# Allegro board rpi-cm4-carrierboard.brd (continued)
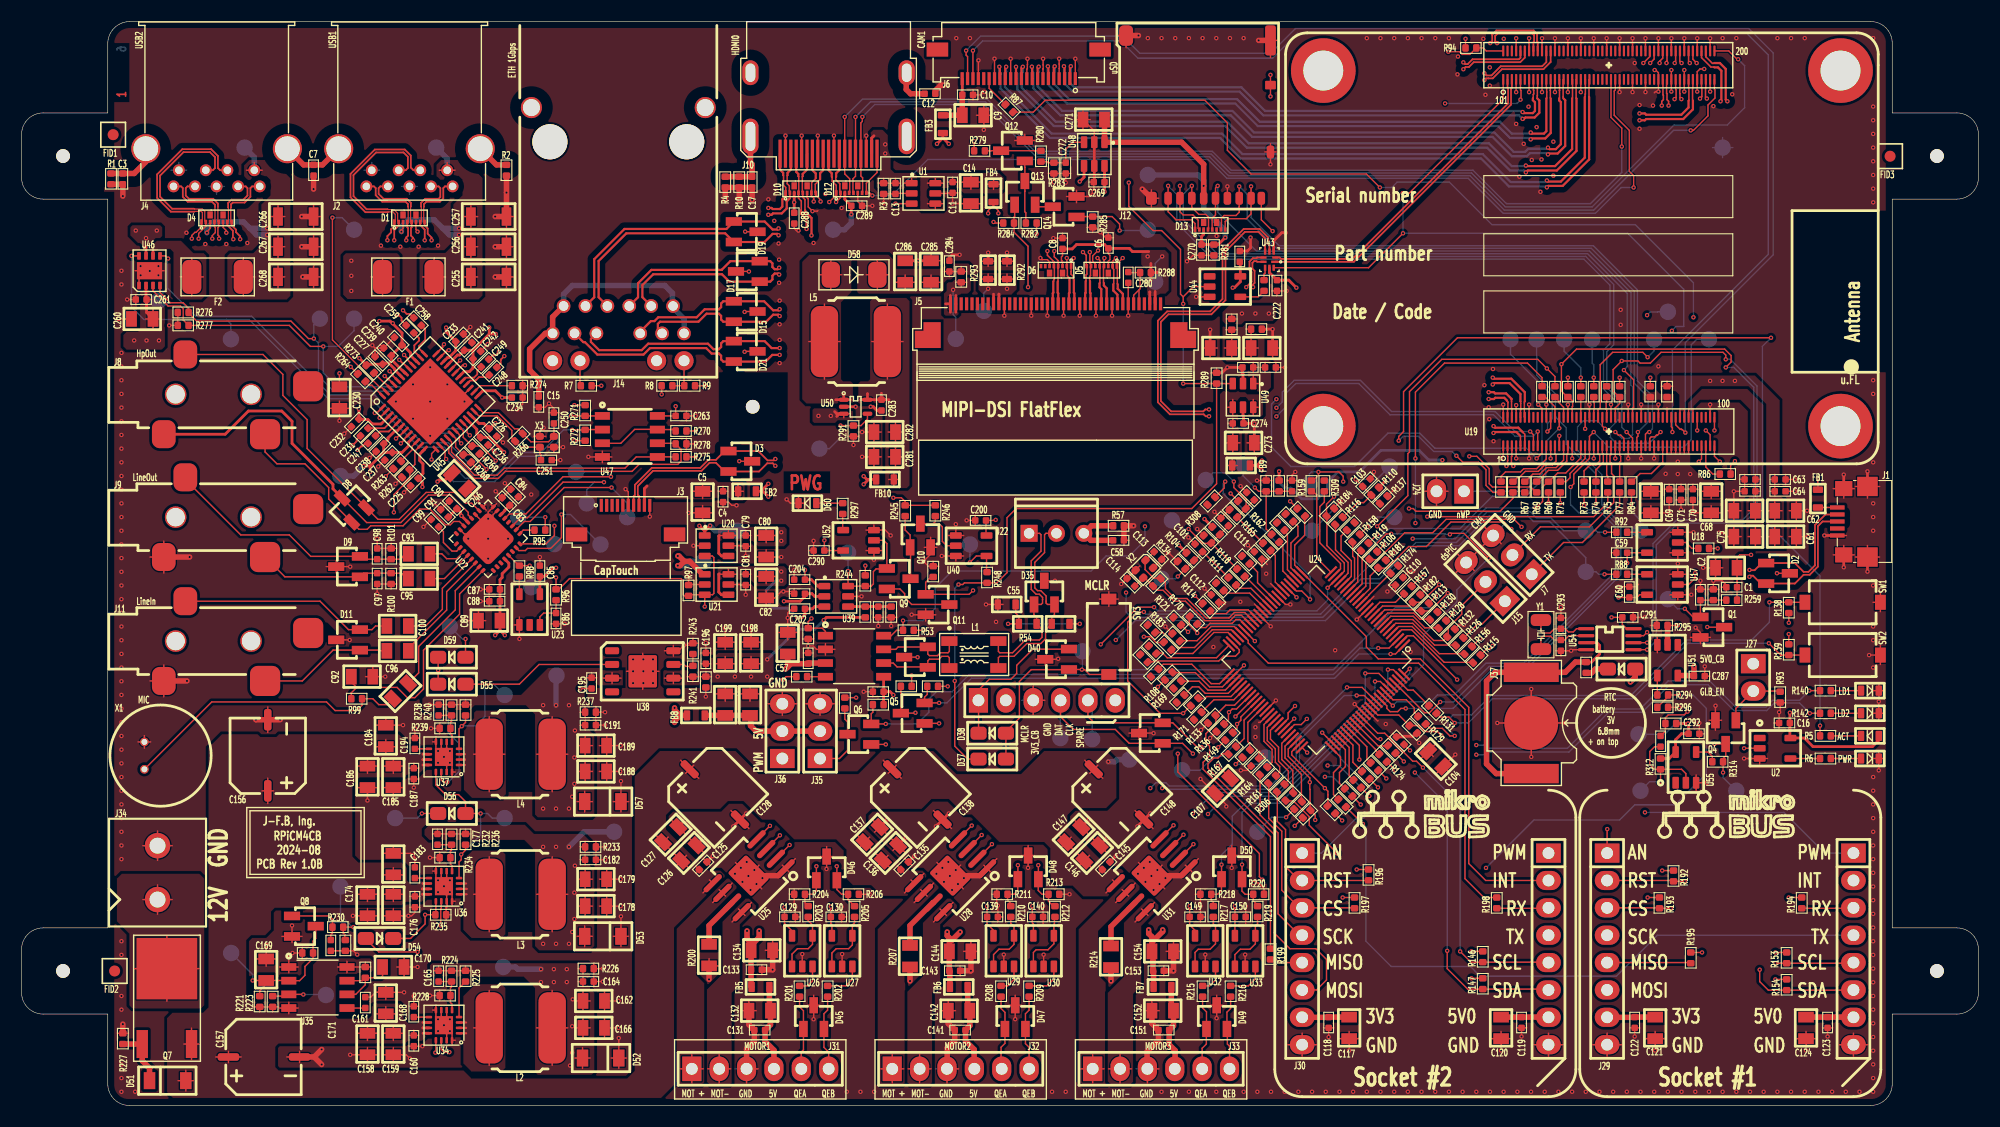
[diagram p0: board, top side]
## Routing (per net, layer and track width the routed paths; a pad name or vN(x,y) marks a point on that pad's centre or on a via; arc(x,y) is an arc through that point) (continued)
BTN1: length 43.6
  TOP w0.127: v1(162.2,46.7) R138.2 SW1.2 ; v1(133,34.3) 132.55,34.3 131.85,35 130.7,35 R129.1
  BOTTOM w0.127: v1(133,34.3) 132.35,34.95 132.35,35.75 132.85,36.25 134.55,36.25 136.35,38.05 149.35,38.05 154.5,43.2 160.55,43.2 162.2,44.85 v1(162.2,46.7)
BTN2: length 38.1
  TOP w0.127: v1(133,35.5) 132.45,36.05 131.65,36.05 R131.1 ; SW2.2 R139.2 163.25,41.8 v1(162.15,42.9)
  BOTTOM w0.127: v1(162.15,42.9) 154.65,42.9 149.5,37.75 136.5,37.75 134.25,35.5 v1(133,35.5)
CAM1.CLK_N: length 60.6
  TOP w0.135: 142.69,93.45 142.69,93.48 142.72,93.51 142.72,94.22 142.72,95.21 U19.127
  TOP w0.203: J6.8 94.29,96.31 v1(94.39,96.41) ; 142.69,93.45 142.69,93.28 142.84,93.13 142.84,89.22 142.38,88.76 141.79,88.76 v1(141.65,88.9)
  BOTTOM w0.203: v1(141.65,88.9) 141.54,88.79 139.82,88.79 139.53,88.51 138.47,88.51 136.67,90.3 114.37,90.3 112.37,92.31 96.57,92.31 94.31,94.57 94.31,95.84 94.38,95.92 94.38,96.39 v1(94.39,96.41)
CAM1.CLK_P: length 61.9
  TOP w0.135: 143.1,93.45 143.1,93.47 143.07,93.5 143.07,93.6 143.06,93.61 143.06,95.19 U19.129
  TOP w0.203: 143.1,93.45 143.25,93.3 143.25,89.05 142.55,88.35 141.74,88.35 v1(141.65,88.27) ; J6.9 93.79,95.3 93.79,96.36 93.76,96.39 v1(93.76,96.41)
  BOTTOM w0.203: v1(93.76,96.41) 93.76,96.39 93.79,96.36 93.79,95.96 93.9,95.84 93.9,94.4 96.4,91.9 112.2,91.9 114.21,89.89 136.51,89.89 138.3,88.1 139.7,88.1 139.99,88.39 141.53,88.39 v1(141.65,88.27)
CAM1.D0_N: length 50.2
  TOP w0.135: U19.115 140.3,94.25 140.33,94.22 140.33,93.88 140.28,93.83 140.28,93.52 140.25,93.48 140.25,93.45
  TOP w0.203: J6.2 97.29,96.37 v1(97.37,96.45) ; 140.25,93.45 140.25,93.3 140.44,93.11 140.44,92.3 140.24,92.1 139.4,92.1 v1(139.3,92.2)
  BOTTOM w0.203: v1(139.3,92.2) 139.2,92.3 115.4,92.3 113.2,94.5 97.7,94.5 97.26,94.94 97.26,95.84 97.37,95.96 v1(97.37,96.45)
CAM1.D0_P: length 51.7
  TOP w0.135: 140.66,93.47 140.66,93.71 140.67,93.72 140.67,94.4 140.7,94.43 U19.117
  TOP w0.203: v1(96.74,96.45) 96.79,96.4 J6.3 ; 140.66,93.47 140.85,93.27 140.85,92.13 140.41,91.69 139.56,91.69 139.4,91.53 139.33,91.53 v1(139.3,91.56)
  BOTTOM w0.203: v1(96.74,96.45) 96.74,95.96 96.85,95.84 96.85,94.78 97.53,94.09 113.03,94.09 115.23,91.89 138.96,91.89 139.11,91.74 139.17,91.74 139.3,91.6 v1(139.3,91.56)
CAM1.D1_N: length 55.5
  TOP w0.135: 141.5,93.45 141.5,93.48 141.53,93.52 141.53,94.07 141.53,94.07 141.53,94.4 141.5,94.43 U19.121
  TOP w0.203: v1(140.05,90.3) 140.15,90.2 141.28,90.2 141.5,90.42 141.5,93.45 ; v1(95.88,96.44) 95.79,96.35 J6.5
  BOTTOM w0.203: v1(95.88,96.44) 95.87,96.44 95.87,95.96 95.76,95.84 95.76,94.84 97.2,93.4 112.8,93.4 114.9,91.3 137.2,91.3 138.3,90.2 139.95,90.2 v1(140.05,90.3)
CAM1.D1_P: length 56.9
  TOP w0.135: U19.123 141.9,94.43 141.87,94.4 141.87,94.21 141.87,94.21 141.87,93.52 141.91,93.48 141.91,93.45
  TOP w0.203: v1(95.24,96.44) 95.29,96.4 J6.6 ; 141.91,93.45 141.91,90.26 141.4,89.75 140.13,89.75 v1(140.05,89.67)
  BOTTOM w0.203: v1(140.05,89.67) 139.92,89.79 138.13,89.79 137.03,90.89 114.73,90.89 112.63,92.99 97.03,92.99 95.35,94.68 95.35,95.84 95.24,95.96 95.24,96.44 v1(95.24,96.44)
CAM1.D2_N: length 64.4
  TOP w0.135: 143.89,93.45 143.89,93.48 143.93,93.52 143.93,95.2 U19.133
  TOP w0.203: J6.11 92.79,96.27 v1(92.92,96.4) ; v1(139.6,87.23) 139.65,87.18 142.31,87.18 143.89,88.77 143.89,93.45
  BOTTOM w0.203: v1(139.6,87.23) 139.55,87.19 138.29,87.19 136.17,89.3 113.87,89.3 111.87,91.31 95.97,91.31 92.81,94.47 92.81,95.79 92.92,95.91 v1(92.92,96.4)
CAM1.D2_P: length 65.8
  TOP w0.135: 144.3,93.45 144.3,93.48 144.27,93.52 144.27,95.2 U19.135
  TOP w0.203: v1(92.29,96.4) 92.29,95.3 J6.12 ; v1(139.6,86.6) 139.78,86.78 142.48,86.78 144.3,88.6 144.3,93.45
  BOTTOM w0.203: v1(92.29,96.4) 92.29,95.91 92.4,95.79 92.4,94.3 95.8,90.9 111.7,90.9 113.71,88.89 136.01,88.89 138.12,86.78 139.42,86.78 v1(139.6,86.6)
CAM1.D3_N: length 68.8
  TOP w0.135: U19.139 145.12,95.21 145.12,93.88 145.1,93.85 145.1,93.66 145.07,93.63 145.07,93.59
  TOP w0.203: v1(91.37,96.4) 91.29,96.32 J6.14 ; v1(141.55,85.85) 141.65,85.75 142.85,85.75 145.07,87.97 145.07,93.59
  BOTTOM w0.203: v1(91.37,96.4) 91.37,95.91 91.26,95.79 91.26,94.54 95.6,90.2 111.4,90.2 113.3,88.3 135.6,88.3 138.19,85.71 141.41,85.71 v1(141.55,85.85)
CAM1.D3_P: length 70.1
  TOP w0.135: 145.47,93.59 145.47,93.61 145.46,93.63 145.46,95.19 U19.141
  TOP w0.203: J6.15 90.79,96.35 v1(90.74,96.4) ; v1(141.55,85.22) 141.68,85.34 143.01,85.34 145.47,87.8 145.47,93.59
  BOTTOM w0.203: v1(90.74,96.4) 90.74,95.91 90.85,95.79 90.85,94.38 95.43,89.79 111.23,89.79 113.13,87.89 135.43,87.89 138.03,85.3 141.47,85.3 v1(141.55,85.22)
CAM_GPIO: length 3
  TOP w0.127: J6.17 89.79,94.41 R87.1
CAM_VDD: length 5.2
  TOP w0.254: J6.22 87.3,95.29 C10.2
  TOP w0.508: FB3.1 C9.1 C10.2
CAN_BUS.CAN_H: length 18.3
  TOP w0.127: J22.1 94.48,53.1 94.6,52.97 94.6,51.45 93.7,50.55 93.7,47.9 94.15,47.45 94.45,47.45 94.75,47.15 94.75,46.95 94.75,46.94 94.75,46.63 94.62,46.5 93.96,46.5 93.95,46.49 93.95,45.55 94.2,45.3 R54.1 94.7,44.2 94.7,43.45 94.45,43.2 93.15,43.2 91.97,42.02 90.78,42.02 90.65,42.14 L1.4
CAN_BUS.CAN_L: length 18.9
  TOP w0.127: J22.2 95.06,53.1 94.94,52.97 94.94,51.31 94.03,50.41 94.03,48.04 94.29,47.78 94.59,47.78 95.08,47.29 95.08,46.81 95.08,46.81 95.08,46.63 95.2,46.5 D35.2 95.85,46.49 95.85,45.55 95.6,45.3 R56.1 95.03,44.13 95.03,43.31 94.59,42.87 93.29,42.87 92.1,41.68 90.78,41.68 90.65,41.56 L1.3
CAN_CTRL.RXD: length 71
  TOP w0.127: v1(100.15,42.8) 103.6,46.25 v1(105.1,46.25) ; v1(121.8,56.5) 121.1,55.8 R184.1 121.14,54.66 121.14,51.96 122.75,50.35 122.75,49.6 U24.23 v1(121.2,48.05) ; R55.1 70.95,39.8 v1(70.65,39.5)
  SIG_INNER2 w0.127: v1(70.65,39.5) 78.9,39.5 80.5,41.1 83.85,41.1 84.75,42 93.65,42 95,43.35 99.6,43.35 v1(100.15,42.8)
  BOTTOM w0.127: v1(121.8,56.5) 121.8,55.38 TP50.1 ; v1(121.2,48.05) 121.2,46.9 120.2,45.9 105.45,45.9 v1(105.1,46.25)
CAN_CTRL.STBY: length 57.5
  TOP w0.127: v1(81.8,45) R53.2 81.2,44.1 80.7,43.6 U15.8 ; v1(122.65,57.9) 122.65,58.4 122.25,58.8 v1(120.35,58.8) 120.35,58.5 119.85,58 R159.1
  SIG_INNER2 w0.127: v1(104.25,53.75) 104.6,54.1 109.15,54.1 109.75,53.5 110.4,53.5 111,54.1 117.95,54.1 121.75,57.9 v1(122.65,57.9)
  BOTTOM w0.127: v1(81.8,45) 83.65,45 84.8,46.15 84.8,48.05 86.35,49.6 99.25,49.6 100.65,51 102.8,51 104.25,52.45 v1(104.25,53.75) ; v1(120.35,58.8) 119.7,58.8 119.5,58.6 TP51.1
CAN_CTRL.TXD: length 62.6
  TOP w0.127: v1(73.3,45.2) 73,44.9 R58.1 74.3,44.3 74.6,44 U15.1 ; R158.1 v1(124.9,53.7)
  SIG_INNER2 w0.127: v1(73.3,45.2) 73.8,45.7 79.9,45.7 81.4,47.2 101.25,47.2 101.8,46.65 103.5,46.65 103.95,47.1 107.75,47.1 111.3,50.65 113.65,50.65 115.2,52.2 123.4,52.2 v1(124.9,53.7)
  BOTTOM w0.127: v1(124.9,53.7) 125.15,53.95 125.15,54 125.55,54.4 125.6,54.4 125.81,54.61 TP49.1
CAN_H: length 8
  TOP w0.127: L1.1 86.1,42.14 85.97,42.02 85.27,42.02 85,41.75 84.25,41.75 84.1,41.9 D34.2 84.09,42.55 81.35,42.55 81.13,42.33 U15.7
CAN_L: length 8.1
  TOP w0.127: L1.2 86.1,41.56 85.97,41.68 85.4,41.68 85.14,41.42 84.25,41.42 84.1,41.27 D34.1 84.06,40.7 81.25,40.7 80.89,41.06 U15.6
CAN_SHIELD: length 6
  TOP w0.508: R57.1 99.28,53.8 J22.3 99.23,52.45 C58.1
CARD_DETECT: length 25.3
  TOP w0.127: v1(101.9,81.2) 101.9,81.8 101.2,82.5 R285.2 97.94,82.5 97.9,82.46 ; v1(116.1,81.15) 115.05,82.2 J12.9
  SIG_INNER2 w0.127: v1(101.9,81.2) 116.05,81.2 v1(116.1,81.15)
  BOTTOM w0.127: v1(101.9,81.2) 104.44,81.2 TP29.1
CGND: length 131.2
  TOP w0.508: J4.10 26.17,87.3 C7.1 27.93,87.3 J2.11 ; J2.10 44.07,87.3 R2.1 ; J10.20 67.64,87.51 67.8,87.35 C17.2 R10.2 R4.1 ; J4.11 11.53,87.58 10.45,86.5 C3.1 R1.1 ; C12.1 82.5,93.9 82.1,94.3 82.1,95.81 J10.22
  GND_INNER1 w0.127: 82.14,94.52 J10.22 ; J10.22 83.07,95.85 ; J10.22 81.21,95.85 ; J10.22 82.14,97.18 ; 46.16,92.61 J14.19 ; J14.19 47.32,91.46 ; J14.19 48.47,92.61 ; J14.19 47.32,93.77 ; 82.14,88.11 J10.21 ; J10.21 81.21,89.94 ; J10.21 82.14,91.77 ; J10.21 83.07,89.94 ; 29.43,87.27 J2.11 ; J2.11 30.96,88.8 ; J2.11 27.9,88.8 ; J2.11 29.43,90.33 ; 11.53,87.27 J4.11 ; J4.11 11.53,90.33 ; J4.11 13.06,88.8 ; J4.11 10,88.8 ; 23.14,88.8 J4.10 ; J4.10 26.2,88.8 ; J4.10 24.67,90.33 ; J4.10 24.67,87.27 ; 66.71,89.94 J10.20 ; J10.20 68.57,89.94 ; J10.20 67.64,88.11 ; J10.20 67.64,91.77 ; J2.10 42.57,90.33 ; J2.10 44.1,88.8 ; J2.10 41.04,88.8 ; J2.10 42.57,87.27 ; J14.20 63.44,93.77 ; J14.20 64.6,92.61 ; J14.20 63.44,91.46 ; J14.20 62.29,92.61 ; J10.23 68.57,95.85 ; J10.23 67.64,97.18 ; J10.23 67.64,94.52 ; J10.23 66.71,95.85
  GND_INNER4 w0.127: 63.44,91.46 J14.20 ; J14.20 64.6,92.61 ; J14.20 63.44,93.77 ; J14.20 62.29,92.61 ; 11.53,87.27 J4.11 ; J4.11 13.06,88.8 ; J4.11 11.53,90.33 ; J4.11 10,88.8 ; J2.10 44.1,88.8 ; J2.10 41.04,88.8 ; J2.10 42.57,90.33 ; J2.10 42.57,87.27 ; J10.20 67.64,91.77 ; J10.20 66.71,89.94 ; J10.20 68.57,89.94 ; J10.20 67.64,88.11 ; 24.67,87.27 J4.10 ; J4.10 26.2,88.8 ; J4.10 23.14,88.8 ; J4.10 24.67,90.33 ; 29.43,87.27 J2.11 ; J2.11 27.9,88.8 ; J2.11 30.96,88.8 ; J2.11 29.43,90.33 ; 47.32,91.46 J14.19 ; J14.19 47.32,93.77 ; J14.19 46.16,92.61 ; J14.19 48.47,92.61 ; 82.14,88.11 J10.21 ; J10.21 82.14,91.77 ; J10.21 81.21,89.94 ; J10.21 83.07,89.94 ; J10.22 83.07,95.85 ; J10.22 82.14,97.18 ; J10.22 82.14,94.52 ; J10.22 81.21,95.85 ; 67.64,94.52 J10.23 ; J10.23 68.57,95.85 ; J10.23 67.64,97.18 ; J10.23 66.71,95.85
CODEC_CLK_12MHZ: length 4.4
  TOP w0.127: U22.21 45.76,50.49 45.76,50.49 46.15,50.1 R98.1 v1(47.15,50.1)
  BOTTOM w0.127: v1(47.15,50.1) 47.15,49.45 47.3,49.3 TP46.1
CODEC_MIC_BIAS: length 22.7
  TOP w0.127: 31.1,38.8 34.85,38.8 35.8,37.85 36.5,37.85 37.3,38.65 37.3,42.25 40.65,45.6 40.65,47.48 U22.16 ; 31.1,38.8 30.6,39.3 C92.2 ; 31.1,38.8 30.6,38.3 R99.1
CODEC_MIC_IN: length 13.6
  TOP w0.127: U22.15 40.25,47.78 40.25,46 36.85,42.6 36.85,40.15 C94.1
DSI1.CLK_N: length 78.3
  TOP w0.135: 154.7,93.25 154.7,93.28 154.73,93.31 154.73,94.4 154.7,94.43 U19.187 ; v1(97.64,78.65) 97.64,78.52 97.4,78.28 D6.1 97.4,77.4 97.39,77.39 97.39,77.16 97.62,76.93 97.62,76.65 97.65,76.62 97.65,76.6
  TOP w0.203: J5.24 97.7,75.38 97.65,75.43 97.65,76.6 ; 154.7,93.25 154.7,92.62 154.03,91.96 150.76,91.96 150.64,92.07 v1(150.15,92.07)
  SIG_INNER2 w0.114: v1(97.64,78.65) 97.64,79.05 97.45,79.23 97.45,79.5 97.95,79.99 100.31,79.99 100.71,79.59 146.65,79.59 146.65,79.6 146.7,79.6 151.8,84.7 151.8,85 151.76,85.04 151.76,91.31 151.14,91.93 150.69,91.93 150.55,92.07 v1(150.15,92.07)
DSI1.CLK_P: length 78.2
  TOP w0.135: U19.189 155.1,94.43 155.07,94.4 155.07,93.31 155.1,93.28 155.1,93.25 ; v1(97,78.65) D6.2 97,77.7 97.05,77.65 97.05,77 97.25,76.8 97.25,76.64 97.25,76.63 97.25,76.6
  TOP w0.203: 97.25,76.6 97.25,75.43 97.2,75.38 J5.23 ; 155.1,93.25 155.1,92.45 154.2,91.55 150.76,91.55 150.64,91.44 v1(150.15,91.44)
  SIG_INNER2 w0.114: v1(97,78.65) 97,79.05 97.09,79.14 97.09,79.64 97.8,80.35 100.45,80.35 100.85,79.95 146.5,79.95 151.4,84.85 151.4,91.16 150.99,91.58 150.69,91.58 150.55,91.44 v1(150.15,91.44)
DSI1.D0_N: length 69.7
  TOP w0.135: v1(102.19,78.65) 101.65,78.11 D5.1 101.69,77.86 101.69,76.26 101.72,76.23 101.72,76.2 ; U19.175 152.32,95.21 152.32,93.8 152.36,93.76 152.36,93.35 152.21,93.2 v1(152.21,92.8)
  TOP w0.203: 101.72,76.2 101.72,75.8 102.2,75.32 J5.33
  SIG_INNER2 w0.114: v1(102.19,78.65) 102.19,78.25 102.05,78.11 102.05,77.95 102.29,77.71 105.81,77.71 107.26,79.16 147.23,79.16 152.35,84.28 152.35,92.26 152.21,92.4 v1(152.21,92.8)
DSI1.D0_P: length 70.8
  TOP w0.135: 101.32,76.2 101.32,76.23 101.35,76.26 101.35,77.6 101.25,77.7 D5.2 101.25,78.35 v1(101.55,78.65) ; U19.177 152.66,95.19 152.66,93.94 152.7,93.9 152.7,93.35 152.85,93.2 v1(152.85,92.8)
  TOP w0.203: 101.32,76.2 101.32,75.63 101.7,75.25 J5.32
  SIG_INNER2 w0.114: v1(152.85,92.8) 152.85,92.4 152.71,92.26 152.71,84.13 147.38,78.8 107.4,78.8 105.95,77.35 102.14,77.35 101.69,77.8 101.69,78.11 101.55,78.25 v1(101.55,78.65)
DSI1.D1_N: length 73.1
  TOP w0.135: v1(153.4,93.4) 153.54,93.54 153.54,94.26 153.5,94.3 U19.181 ; v1(100.48,78.65) 100.48,78.5 100.45,78.46 D5.4 100.41,77.86 100.41,76.36 100.44,76.33 100.44,76.3
  TOP w0.203: J5.30 100.7,75.84 100.44,76.1 100.44,76.3
  SIG_INNER2 w0.114: v1(153.4,93.4) 153.4,92.95 153.49,92.86 153.49,84.1 147.7,78.31 108.8,78.31 107.3,76.8 101.36,76.8 100.35,77.81 100.35,78.11 100.48,78.25 v1(100.48,78.65)
DSI1.D1_P: length 74.4
  TOP w0.135: v1(154.03,93.4) 153.9,93.53 153.9,93.9 153.88,93.93 153.88,94.27 153.9,94.3 U19.183 ; v1(99.85,78.65) 100.05,78.45 D5.5 100.05,77.7 100.07,77.68 100.07,76.36 100.03,76.33 100.03,76.3
  TOP w0.203: J5.29 100.2,75.77 100.03,75.93 100.03,76.3
  SIG_INNER2 w0.114: v1(154.03,93.4) 153.99,93.35 153.99,92.99 153.85,92.85 153.85,83.95 147.85,77.95 108.95,77.95 107.44,76.44 101.21,76.44 99.99,77.66 99.99,78.11 99.85,78.25 v1(99.85,78.65)
DSI1.D2_N: length 78.1
  TOP w0.135: v1(99.14,79.2) 99.14,79.04 99.14,79.04 99.14,78.17 99.25,78.06 D5.7 99.2,77.85 99.2,77.02 99.12,76.94 99.12,76.55 99.15,76.51 99.15,76.5 ; U19.193 155.9,94.43 155.93,94.4 155.93,93.62 155.76,93.45 v1(155.76,93.45)
  TOP w0.203: 99.15,76.5 99.15,75.43 99.2,75.39 J5.27
  SIG_INNER2 w0.114: v1(99.14,79.2) 99.14,79.08 99,78.95 99,77.81 100.8,76.01 107.55,76.01 109.1,77.56 148.36,77.56 155.89,85.09 155.89,93.06 155.76,93.19 v1(155.76,93.45)
DSI1.D2_P: length 79.3
  TOP w0.135: 98.75,76.5 98.75,76.51 98.78,76.55 98.78,77.08 98.86,77.16 98.86,77.81 98.85,77.82 D5.8 98.8,77.95 98.8,78.03 98.8,78.03 98.8,78.9 v1(98.5,79.2) ; v1(156.4,93.45) 156.27,93.58 156.27,94.4 156.3,94.43 U19.195
  TOP w0.203: J5.26 98.7,75.38 98.75,75.43 98.75,76.5
  SIG_INNER2 w0.114: v1(98.5,79.2) 98.5,79.05 98.64,78.91 98.64,77.66 100.65,75.65 107.7,75.65 109.25,77.2 148.5,77.2 156.25,84.95 156.25,93 156.4,93.15 v1(156.4,93.45)
DSI1.D3_N: length 87.4
  TOP w0.135: 157.1,96.34 157.07,96.34 157.04,96.38 156.77,96.38 155.9,97.25 U19.194 ; 96.15,76.48 96.18,76.51 96.18,77.68 96.2,77.7 D6.4 96.2,78.4 95.83,78.76 v1(95.83,79.3)
  TOP w0.203: 96.15,76.48 96.15,75.43 96.2,75.39 J5.21 ; 157.1,96.34 157.43,96.34 157.74,96.03 157.74,93.28 v1(157.66,93.2)
  SIG_INNER2 w0.114: v1(157.66,93.2) 157.74,93.2 157.8,93.14 157.8,92.5 157.07,91.77 157.07,84.62 149.3,76.86 109.4,76.86 107.85,75.3 98.75,75.3 95.71,78.34 95.71,79.17 v1(95.83,79.3)
DSI1.D3_P: length 88.8
  TOP w0.135: v1(95.2,79.3) 95.2,78.9 95.8,78.3 D6.5 95.8,77.8 95.84,77.76 95.84,76.69 95.78,76.63 95.78,76.53 95.75,76.49 95.75,76.48 ; U19.196 156.3,97.33 156.91,96.72 157.04,96.72 157.07,96.75 157.1,96.75
  TOP w0.203: v1(158.3,93.2) 158.15,93.35 158.15,96.2 157.6,96.75 157.1,96.75 ; J5.20 95.7,75.38 95.75,75.43 95.75,76.48
  SIG_INNER2 w0.114: v1(158.3,93.2) 158.27,93.2 158.16,93.09 158.16,92.36 157.42,91.62 157.42,84.47 149.45,76.5 109.55,76.5 107.99,74.94 98.6,74.94 95.35,78.2 95.35,79.15 v1(95.2,79.3)
DSI_3V3: length 20.6
  TOP w0.127: D6.3 96.6,78.35 96.5,78.45 96.5,78.75 96.6,78.85 C8.2 ; R286.1 112.3,73.48 ; R286.1 111.77,73 ; R286.1 112.83,73 ; D5.3 100.85,78.35 101,78.5 101,78.9 100.85,79.05 C6.2
  TOP w0.254: C8.2 97.5,79.5 97.9,79.9 100.5,79.9 C6.2 102.8,79.55 103.1,79.25 104.6,79.25 ; 105.45,77.35 105.4,77.3 R288.1 ; 104.8,78.15 R288.1 ; R288.1 104.8,76.6 104.75,76.55 ; J5.39 105.2,75.55 ; 104.7,75.5 J5.38
  BOTTOM w0.127: TP14.1 105.2,78.15 v1(105.85,78.8)
  vias: v1(104.5,78.8) v1(113.25,73.5) v1(114.5,73.5) v1(115.75,73.5)
DSI_PWM: length 77.6
  TOP w0.127: v1(134.35,60.25) 135.05,60.25 136.2,59.1 136.2,57.7 136.5,57.4 140.05,57.4 140.55,56.9 R69.1 ; U50.4 78.5,63.7 77.9,63.1 R291.1 v1(76,63.1)
  SIG_INNER2 w0.127: v1(134.35,60.25) 128.05,66.55 108.2,66.55 107.95,66.3 83.8,66.3 80.6,63.1 v1(76,63.1)
  BOTTOM w0.127: v1(76,63.1) 76,62 74.96,60.96 TP11.1
DSPIC_DBG_RX: length 13.5
  TOP w0.127: J15.2 133.65,46.39 133.65,45.6 132.4,44.35 132.4,43.6 R132.1 131.95,43.15 131.05,43.15 129.1,45.1 127.3,45.1 126.6,44.4 U24.7
DSPIC_DBG_TX: length 5.3
  TOP w0.127: R126.1 133.85,43.4 135.15,44.7 135.55,44.7 J15.1
EEPROM_NWP: length 15.8
  TOP w0.127: v1(140.75,65.05) 141.1,64.7 U19.20
  BOTTOM w0.127: v1(140.75,65.05) 141.1,64.7 141.1,58.6 139.5,57 J24.1
ETH.ETH_0_N: length 93.6
  TOP w0.135: U19.10 139.1,64.55 139.12,64.57 139.12,65.17 139.11,65.18 139.11,65.32 139.1,65.33 139.1,65.37
  TOP w0.203: J14.10 57.41,71.81 58.4,72.8 58.73,72.8 59.08,73.15 62.65,73.15 63.39,73.89 64.71,73.89 64.92,74.1 64.92,74.44 65.12,74.64 D15.1 68.91,74.64 69.75,73.8 70.25,73.8 v1(70.35,73.9) ; v1(136.53,66.92) 136.66,67.04 138.08,67.04 139.1,66.03 139.1,65.37
  SIG_INNER2 w0.114: v1(70.35,73.9) 70.75,73.9 70.89,73.76 71.26,73.76 73.16,75.66 82,75.66 88.05,69.6 136.65,69.6 137.66,68.59 137.66,67.62 137.13,67.09 136.64,67.09 136.53,66.98 v1(136.53,66.92)
ETH.ETH_0_P: length 91.7
  TOP w0.135: U19.12 139.46,63.91 139.46,65.2 139.47,65.21 139.47,65.32 139.5,65.35 139.5,65.37
  TOP w0.203: v1(136.53,67.55) 136.63,67.45 138.25,67.45 139.5,66.2 139.5,65.37 ; J14.11 59.05,72.05 59.05,72.54 59.25,72.74 62.82,72.74 63.56,73.49 64.71,73.49 64.92,73.28 64.92,72.94 65.12,72.74 D15.2 69.1,72.74 69.75,73.39 70.22,73.39 v1(70.35,73.27)
  SIG_INNER2 w0.114: v1(136.53,67.55) 136.63,67.45 136.98,67.45 137.3,67.77 137.3,68.45 136.5,69.24 87.91,69.24 81.85,75.3 73.3,75.3 71.41,73.4 70.89,73.4 70.75,73.27 v1(70.35,73.27)
ETH.ETH_1_N: length 96
  TOP w0.135: 138.27,65.53 138.27,65.37 138.27,65.37 138.27,64.7 138.3,64.67 138.3,64.05 U19.6
  TOP w0.203: J14.5 57.62,75.01 57.62,76.14 58.62,77.14 65,77.14 65.68,76.46 69.48,76.46 69.68,76.66 69.68,77 69.89,77.21 70.21,77.21 v1(70.31,77.11) ; 138.27,65.53 138.27,65.58 137.76,66.09 136.75,66.09 136.63,66.2 v1(136.15,66.2)
  SIG_INNER2 w0.114: v1(70.31,77.11) 70.44,77.24 72.2,77.24 73.2,76.25 82.35,76.25 88.41,70.19 136.95,70.19 138.1,69.05 138.1,67.1 137.05,66.05 136.3,66.05 v1(136.15,66.2)
ETH.ETH_1_P: length 97.3
  TOP w0.135: 137.85,65.43 137.85,65.38 137.93,65.3 137.93,65.23 137.93,64.7 137.9,64.67 U19.4
  TOP w0.203: v1(136.15,65.56) 136.64,65.56 136.76,65.68 137.6,65.68 137.85,65.43 ; J14.4 57.21,75.01 57.21,76.31 58.45,77.55 65,77.55 65,77.58 65.78,78.36 D17.2 69.48,78.36 69.68,78.16 69.68,77.82 69.89,77.61 70.17,77.61 v1(70.31,77.75)
  SIG_INNER2 w0.114: v1(136.15,65.56) 136.15,65.57 136.15,65.58 136.27,65.69 137.2,65.69 138.46,66.95 138.46,69.19 137.1,70.55 88.55,70.55 82.5,76.61 73.34,76.61 72.35,77.6 70.4,77.6 70.31,77.69 v1(70.31,77.75)
ETH.ETH_2_N: length 109.8
  TOP w0.135: 139.04,62.19 139.1,62.13 U19.9
  TOP w0.203: J14.2 53.14,75.01 53.14,78.54 55.95,81.35 65.41,81.35 66.1,82.04 68.96,82.04 69.7,81.3 70.15,81.3 v1(70.25,81.4) ; v1(136.6,62.41) 136.69,62.5 138.73,62.5 139.04,62.19
  SIG_INNER2 w0.114: v1(136.6,62.41) 136.68,62.49 137.3,62.49 138.29,63.49 138.29,65.54 139.31,66.55 139.31,69.59 137.45,71.45 89.2,71.45 83.05,77.61 74.75,77.61 71.1,81.26 70.79,81.26 70.65,81.4 v1(70.25,81.4)
ETH.ETH_2_P: length 108.7
  TOP w0.135: U19.11 139.5,62.14 139.49,62.15 139.49,62.31 139.32,62.48
  TOP w0.203: v1(136.6,63.05) 136.74,62.91 138.89,62.91 139.32,62.48 ; J14.3 53.55,75.01 53.55,78.38 56.12,80.94 65.3,80.94 D19.2 68.95,80.14 69.7,80.89 70.12,80.89 v1(70.25,80.77)
  SIG_INNER2 w0.114: v1(70.25,80.77) 70.65,80.77 70.79,80.9 70.95,80.9 74.6,77.25 82.9,77.25 89.06,71.09 137.3,71.09 138.95,69.45 138.95,66.7 137.93,65.68 137.93,63.63 137.15,62.85 136.8,62.85 v1(136.6,63.05)
ETH.ETH_3_N: length 100
  TOP w0.135: v1(138.44,59.35) 138.26,59.53 138.26,60.21 138.3,60.25 138.3,61.1 U19.5
  TOP w0.203: J14.9 52.84,71.15 52.84,70.86 53.6,70.1 57.55,70.1 58.15,70.7 63.7,70.7 64.21,70.19 64.71,70.19 64.92,70.4 64.92,70.74 65.12,70.94 D21.1 68.96,70.94 69.61,70.29 v1(70.35,70.29)
  SIG_INNER2 w0.114: v1(138.44,59.35) 138.27,59.52 138.27,60.58 137.79,61.06 135.84,61.06 134.41,62.49 134.41,66.75 133.2,67.96 83.46,67.96 82.05,66.55 73.15,66.55 72.2,67.5 72.2,69.4 71.45,70.15 70.89,70.15 70.75,70.29 v1(70.35,70.29)
ETH.ETH_3_P: length 100.4
  TOP w0.135: U19.3 137.9,60.25 137.92,60.22 137.92,59.88 137.9,59.85 137.9,59.45 v1(137.8,59.35)
  TOP w0.203: J14.8 52.13,70.85 52.28,70.85 53.43,69.69 57.72,69.69 58.32,70.29 63.53,70.29 64.04,69.79 64.71,69.79 64.92,69.58 64.92,69.24 65.12,69.04 D21.2 69.05,69.04 69.67,69.66 v1(70.35,69.66)
  SIG_INNER2 w0.114: v1(70.35,69.66) 70.75,69.66 70.89,69.8 71.3,69.8 71.84,69.25 71.84,67.35 73,66.19 82.2,66.19 83.6,67.6 133.05,67.6 134.05,66.6 134.05,62.35 135.7,60.7 137.65,60.7 137.91,60.44 137.91,59.46 v1(137.8,59.35)
ETH.ETH_NLED1: length 96.9
  TOP w0.127: v1(140.6,60.05) 141.1,60.55 141.1,60.76 U19.19 ; R8.1 v1(59.4,66)
  SIG_INNER2 w0.127: v1(59.4,66) 62.1,66 64.05,64.05 64.05,62 64.7,61.35 68.35,61.35 68.55,61.55 75.9,61.55 76.25,61.9 79.85,61.9 83.9,65.95 108.5,65.95 108.75,66.2 115.8,66.2 v1(116.45,65.55)
  BOTTOM w0.127: v1(116.45,65.55) 116,65.1 116,61.1 117.8,59.3 123.7,59.3 126.8,62.4 129.75,62.4 131.15,61 139.65,61 v1(140.6,60.05)
ETH.ETH_NLED2: length 104.1
  TOP w0.127: U19.17 v1(140.7,62.55)
  SIG_INNER2 w0.127: J14.13 49.28,68.12 50.5,66.9 51.85,66.9 55,63.75 58.75,63.75 61.65,60.85 63.85,60.85 64.15,60.55 68.8,60.55 69.1,60.85 76.4,60.85 76.7,60.55 77.6,60.55 78.2,61.15 80,61.15 84.1,65.25 108.8,65.25 109.1,65.55 114.85,65.55 v1(116.45,63.95)
  BOTTOM w0.127: v1(140.7,62.55) 140.25,62.1 138.6,62.1 136.6,64.1 127,64.1 124.1,67 118.25,67 117.3,66.05 117.3,64.8 v1(116.45,63.95)
ETH.ETH_NLED3: length 96.1
  TOP w0.127: U19.15 140.3,62.25 v1(140,62.55)
  SIG_INNER2 w0.127: J14.15 58.94,67.99 58.25,67.3 58.25,66.35 59.05,65.55 62.05,65.55 63.7,63.9 63.7,61.85 64.6,60.95 68.55,60.95 68.8,61.2 76.5,61.2 76.85,60.85 77.45,60.85 78.1,61.5 79.9,61.5 84,65.6 108.65,65.6 108.95,65.9 115.3,65.9 v1(116.45,64.75)
  BOTTOM w0.127: v1(116.45,64.75) 117,65.3 117,66.2 118.1,67.3 124.25,67.3 127.15,64.4 136.75,64.4 138.6,62.55 v1(140,62.55)
EXT_RSTN: length 73.2
  TOP w0.127: R92.2 v1(146.95,53.2) ; R311.1 84.4,49.05 83.9,48.55 Q11.1 87.94,47.44 v1(88.3,47.8)
  SIG_INNER2 w0.127: v1(102.5,47.6) 88.89,47.6 88.69,47.8 v1(88.3,47.8)
  BOTTOM w0.127: v1(102.5,47.6) 102.5,45.8 103,45.3 120.75,45.3 124.34,48.89 126.04,48.89 129.4,52.25 133.15,52.25 136,55.1 140,55.1 140.55,54.55 141.9,54.55 143.11,53.34 TP8.1 146.11,53.34 146.25,53.2 v1(146.95,53.2)
GLOBAL_ENN: length 34.4
  TOP w0.127: v1(157.1,33.55) Q4.3 158.15,33.54 158.15,32.45 157.9,32.2 R314.2 v1(157.9,30.9) ; U19.99 157.1,60.25 v1(157.6,59.75)
  SIG_INNER2 w0.127: v1(157.6,59.75) 157.6,54.1 158,53.7 158,35.6 157.1,34.7 v1(157.1,33.55)
  BOTTOM w0.127: v1(157.9,30.9) 157.9,30.44 TP18.1
GPIO6: length 2.2
  TOP w0.127: R68.2 142.65,65.4 142.65,65.25 143.1,64.8 U19.30
GPIO8: length 4.6
  TOP w0.127: U19.39 145.1,60.05 143.7,58.65 143.7,58.26 143.34,57.9 R71.2
GPIO10: length 1.9
  TOP w0.127: U19.44 145.9,64.56 145.95,64.61 145.95,65.2 145.9,65.25 R72.1
GPIO11: length 1.9
  TOP w0.127: R70.1 U19.38
GPIO12: length 5.1
  TOP w0.127: U19.31 143.5,60.54 143.4,60.44 143.4,59.8 142.55,58.95 141.7,58.95 140.65,57.9 R69.2
GPIO14: length 3.4
  TOP w0.127: R77.2 148.3,59.7 148.4,59.8 148.4,60.25 148.3,60.35 U19.55
GPIO16: length 5.8
  TOP w0.127: R67.2 139.55,57.9 140.25,58.6 140.9,58.6 141.5,59.2 142.4,59.2 143.1,59.9 U19.29
GPIO17: length 1.9
  TOP w0.127: U19.50 147.1,64.56 147.05,64.61 147.05,65.2 147.1,65.25 R76.2
GPIO18: length 3.4
  TOP w0.127: R75.2 147.2,58.39 147.1,58.49 U19.49
GPIO19: length 2.6
  TOP w0.127: U19.26 142.3,64.85 141.4,65.75 R66.1
GPIO21: length 6.3
  TOP w0.127: R62.2 138.45,57.9 138.84,58.29 138.99,58.29 139.55,58.85 140.75,58.85 141.35,59.45 142.05,59.45 142.4,59.8 142.4,60.4 142.3,60.5 U19.25
GPIO23: length 3.7
  TOP w0.127: U19.47 146.7,60.55 146.79,60.46 146.79,59.69 146.1,59 R74.2
GPIO24: length 4.3
  TOP w0.127: U19.45 146.3,60.5 146.45,60.35 146.45,59.8 146.1,59.45 145.55,59.45 145,58.9 R73.2
GPIO_VREF: length 0.9
  TOP w0.127: U19.78 152.7,64.75
HDMI0.CEC: length 94.3
  TOP w0.127: v1(76.39,91.75) J10.13 76.39,86.46 76.85,86 76.85,84.75 D12.4 ; U19.151 147.5,91.7 148.5,90.7 v1(148.5,89)
  BOTTOM w0.127: v1(148.5,89) 148.5,86.6 145.6,83.7 137.8,83.7 134.7,86.8 112.25,86.8 110.5,88.55 94.45,88.55 89.6,93.4 78.04,93.4 v1(76.39,91.75)
HDMI0.CLK_N: length 101.6
  TOP w0.135: v1(155.45,96.75) 155.1,97.1 U19.190 ; v1(75.59,83.85) 76,84.26 D12.2 75.94,84.76 75.94,85.54 75.56,85.92 75.56,86.13 75.59,86.17 75.59,86.2
  TOP w0.203: J10.12 75.89,86.81 75.59,86.51 75.59,86.2
  SIG_INNER2 w0.114: v1(155.45,96.75) 155.45,97.15 155.31,97.29 155.31,97.6 154.36,98.55 146.05,98.55 143.91,96.41 143.91,86.21 141.75,84.06 89.36,84.06 87.46,82.16 76,82.16 75.45,82.71 75.45,83.71 v1(75.59,83.85)
HDMI0.CLK_P: length 101.6
  TOP w0.135: U19.188 154.7,97.87 154.7,96.86 v1(154.81,96.75) ; v1(74.95,83.85) 75.6,84.5 D12.1 75.6,85.4 75.22,85.78 75.22,86.13 75.19,86.17 75.19,86.2
  TOP w0.203: 75.19,86.2 75.19,86.51 74.89,86.81 J10.10
  SIG_INNER2 w0.114: v1(74.95,83.85) 75.09,83.71 75.09,82.56 75.85,81.8 87.61,81.8 89.51,83.7 141.9,83.7 144.27,86.07 144.27,96.26 146.2,98.19 154.21,98.19 154.95,97.45 154.95,97.29 154.81,97.15 v1(154.81,96.75)
HDMI0.D0_N: length 101.3